# Altium PCB PCB_Power_Distribution.PcbDoc (part 1 of 3) (continued)
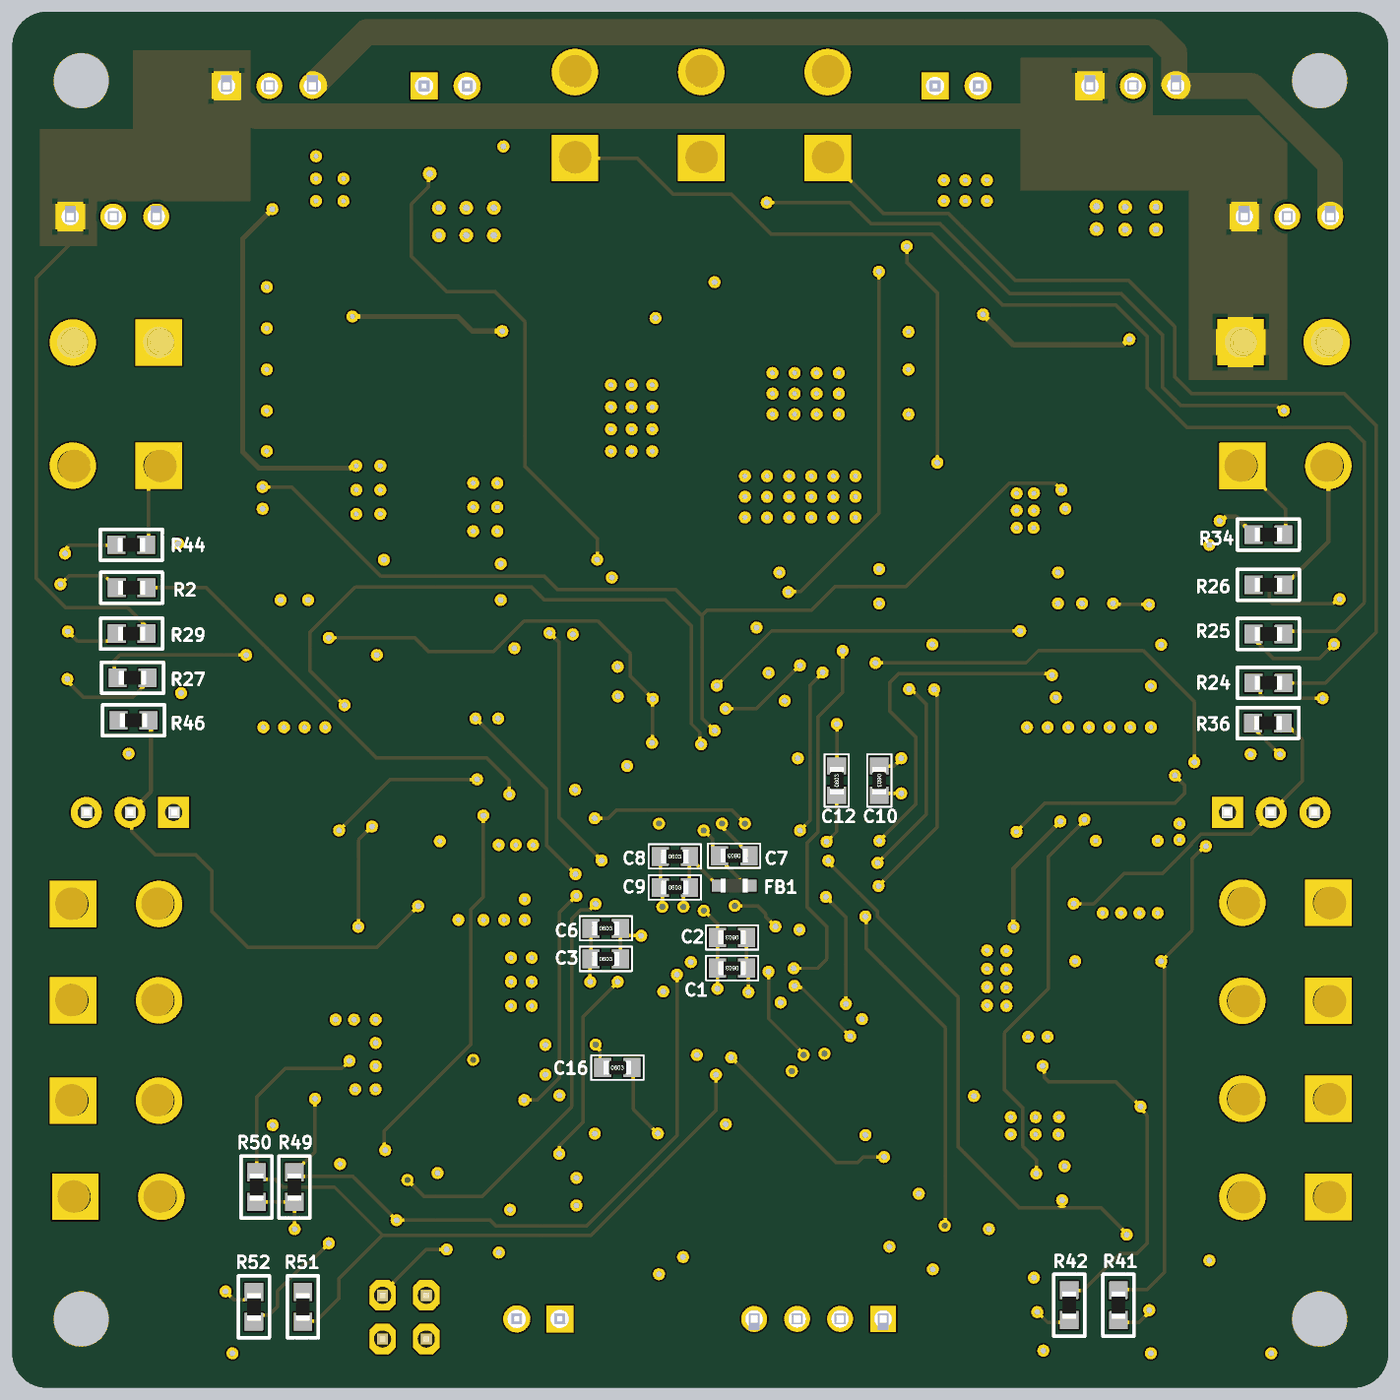
[diagram p7: 3D render of the assembled board from below, using the file's embedded part models]

## Layer stack, top to bottom
Top Solder: solder mask 0.0102, Solder Resist, Dk 3.5
Top Layer: signal copper 0.0175
Dielectric 2: prepreg 0.196, PP-022, Dk 4.56
GND: signal copper 0.035
Dielectric 1: dielectric 1.03, FR-4, Dk 4.6
POWER: signal copper 0.035
Dielectric 3: prepreg 0.196, PP-022, Dk 4.56
Bottom Layer: signal copper 0.0175
Bottom Solder: solder mask 0.0102, Solder Resist, Dk 3.5

## Board outline
0,2 ccw(c2,2) 2,0 78,0 ccw(c78,2) 80,2 80,78 ccw(c78,78) 78,80 2,80 ccw(c2,78) 0,78

## Design rules (kind name [scope] priority, off if disabled: settings)
BoardOutlineClearance BoardOutlineClearance_1 [All] p1: gap=0.254 ignorepadtopadclearanceinfootprint=FALSE except(0: Arc-SplitContinuation Track-SplitContinuation SMDPad-SplitContinuation THPad-SplitContinuation Via-SplitContinuation Fill-SplitContinuation Poly-SplitContinuation Region-SplitContinuation Text-SplitContinuation; 0.5: Arc-OutlineEdge Arc-CavityEdge Arc-CutoutEdge Arc-SplitBarrior Track-OutlineEdge Track-CavityEdge Track-CutoutEdge Track-SplitBarrior)
Clearance Clearance_2 [InNamedPolygon('5V Top')] p1: gap=0.254 ignorepadtopadclearanceinfootprint=FALSE except(0: Arc-Hole Track-Hole SMDPad-Hole THPad-Hole Via-Hole Fill-Hole Poly-Hole Region-Hole Text-Hole; 0.127: Arc-Fill Arc-Poly Arc-Region Track-Fill Track-Poly Track-Region SMDPad-Fill SMDPad-Poly SMDPad-Region)
Clearance Clearance_1 [InNamedPolygon('GND_U5_2')] p2: gap=0.254 ignorepadtopadclearanceinfootprint=FALSE except(0: Arc-Hole Track-Hole SMDPad-Hole THPad-Hole Via-Hole Fill-Hole Poly-Hole Region-Hole Text-Hole; 0.15: SMDPad-Fill SMDPad-Poly SMDPad-Region)
Clearance Clearance_3 [(ExistsOnLayer('GND') Or ExistsOnLayer('POWER')) vs (ExistsOnLayer('GND') Or ExistsOnLayer('POWER'))] p3: gap=0.254 ignorepadtopadclearanceinfootprint=FALSE except(0.127: Arc-Fill Arc-Poly Arc-Region Track-Fill Track-Poly Track-Region SMDPad-SMDPad SMDPad-Fill SMDPad-Poly SMDPad-Region Fill-Fill Fill-Poly Fill-Region Poly-Poly Poly-Region Region-Region; 0.2: Arc-SMDPad Arc-THPad Track-SMDPad Track-THPad; 0.5: SMDPad-THPad THPad-THPad)
Clearance Clearance_4 [(ExistsOnLayer('Top Layer') Or ExistsOnLayer('Bottom Layer')) vs (ExistsOnLayer('Top Layer') Or ExistsOnLayer('Bottom Layer'))] p4: gap=0.254 ignorepadtopadclearanceinfootprint=FALSE except(0.127: Arc-Fill Arc-Poly Arc-Region Track-Fill Track-Poly Track-Region SMDPad-SMDPad SMDPad-Fill SMDPad-Poly SMDPad-Region Fill-Fill Fill-Poly Fill-Region Poly-Poly Poly-Region Region-Region; 0.2: Arc-SMDPad Arc-THPad Track-SMDPad Track-THPad; 0.5: SMDPad-THPad THPad-THPad)
Clearance Clearance_5 [(ExistsOnLayer('GND') Or ExistsOnLayer('POWER')) vs (ExistsOnLayer('GND') Or ExistsOnLayer('POWER'))] p5: gap=0.127 ignorepadtopadclearanceinfootprint=FALSE except(0.254: Arc-Hole Track-Hole SMDPad-Hole THPad-Fill THPad-Poly THPad-Region THPad-Hole Via-Fill Via-Poly Via-Region Via-Hole Fill-Text Fill-Hole Poly-Text Poly-Hole Region-Text Region-Hole Text-Hole Hole-Hole)
Clearance Clearance_6 [(ExistsOnLayer('Top Layer') Or ExistsOnLayer('Bottom Layer')) vs (ExistsOnLayer('Top Layer') Or ExistsOnLayer('Bottom Layer'))] p6: gap=0.127 ignorepadtopadclearanceinfootprint=FALSE except(0.254: Arc-Hole Track-Hole SMDPad-Hole THPad-Fill THPad-Poly THPad-Region THPad-Hole Via-Fill Via-Poly Via-Region Via-Hole Fill-Text Fill-Hole Poly-Text Poly-Hole Region-Text Region-Hole Text-Hole Hole-Hole)
Clearance [All] p7: gap=0.254 ignorepadtopadclearanceinfootprint=FALSE except(0.127: Arc-Fill Arc-Poly Arc-Region Track-Fill Track-Poly Track-Region SMDPad-SMDPad SMDPad-Fill SMDPad-Poly SMDPad-Region Fill-Fill Fill-Poly Fill-Region Poly-Poly Poly-Region Region-Region; 0.2: Arc-SMDPad Arc-THPad Track-SMDPad Track-THPad; 0.5: SMDPad-THPad THPad-THPad)
DiffPairsRouting DifferentialPairsRouting_1 [InDifferentialPair('CAN')] p1: maxlimit=0.254 minlimit=0.1 mostfreqgap=0.21 toplayer_minwidth=0.127 toplayer_maxwidth=0.3 toplayer_prefwidth=0.16 midlayer1_minwidth=0.127 midlayer1_maxwidth=0.3 midlayer1_prefwidth=0.16 midlayer2_minwidth=0.127 midlayer2_maxwidth=0.3 midlayer2_prefwidth=0.16 bottomlayer_minwidth=0.127 bottomlayer_maxwidth=0.3 bottomlayer_prefwidth=0.16 maxuncoupledlength=12.7
DiffPairsRouting [All] p2 off: maxlimit=0.254 minlimit=0.254 mostfreqgap=0.254 toplayer_minwidth=0.381 toplayer_maxwidth=0.381 toplayer_prefwidth=0.381 midlayer1_minwidth=0.381 midlayer1_maxwidth=0.381 midlayer1_prefwidth=0.381 midlayer2_minwidth=0.381 midlayer2_maxwidth=0.381 midlayer2_prefwidth=0.381 bottomlayer_minwidth=0.381 bottomlayer_maxwidth=0.381 bottomlayer_prefwidth=0.381 maxuncoupledlength=12.7
HoleSize [All] p1: absolutevalues=TRUE maxlimit=6.3 minlimit=0.2 maxpercent=80.000 minpercent=20.000
HoleToHoleClearance [All] p1: gap=0.5 allowstackedmicrovias=TRUE
PlaneClearance PowerPlaneClearance_1 [All] p1: clearance=0
PlaneClearance [All] p2: clearance=1
PolygonConnect PolygonConnect_11 [All vs IsNamedPolygon('3V3 pre filtrado') Or IsNamedPolygon('3V3 pre sensado') Or IsNamedPolygon('3V3 Top') Or IsNamedPolygon('5V pre filtrado') Or IsNamedPolygon('5V pre sensado') Or IsNamedPolygon('5V Top') Or IsNamedPolygon('+11VU') Or IsNamedPolygon('11V Entrada 3V3') Or IsNamedPolygon('11V_Current -') Or IsNamedPolygon('+11VS') Or IsNamedPolygon('+11V_PyroMain') Or IsNamedPolygon('+11V_Pyro_Drogue') Or IsNamedPolygon('11V Entrada 5V') Or IsNamedPolygon('Drogue Pyro post sensado') Or IsNamedPolygon('Drogue Pyro pre sensado') Or IsNamedPolygon('DroguePyro_Current+') Or IsNamedPolygon('GND_full') Or IsNamedPolygon('GND_full') Or IsNamedPolygon('GND_full') Or IsNamedPolygon('GND_U4_1') Or IsNamedPolygon('GND_U4_2') Or IsNamedPolygon('GND_U5_1') Or IsNamedPolygon('GND_U5_2') Or IsNamedPolygon('GND_U6_1') Or IsNamedPolygon('GND_U6_2') Or IsNamedPolygon('GND_U8_1') Or IsNamedPolygon('GND_U8_2') Or IsNamedPolygon('Main Pyro') Or IsNamedPolygon('Main Pyro post sensado') Or IsNamedPolygon('Main Pyro pre sensado') Or IsNamedPolygon('Main Pyro prefiltrado') Or IsNamedPolygon('Main Pyro Redundant') Or IsNamedPolygon('Salida Drogue') Or IsNamedPolygon('Salida Drogue Redundant') Or IsNamedPolygon('Top Layer-11V_Current+') Or IsNamedPolygon('GND') Or IsNamedPolygon('3V3') Or IsNamedPolygon('3V3_C') Or IsNamedPolygon('11V Pyro Main') Or IsNamedPolygon('11V Pyro Main') Or IsNamedPolygon('NONET_L-01_P-001') Or IsNamedPolygon('POWER-5V_Current-') Or IsNamedPolygon('POWER-11V_Current-') Or IsNamedPolygon('POWER-+11V_Pyro_Drogue') Or IsNamedPolygon('POWER-Pyro2_Current-') Or IsNamedPolygon('5V') Or IsNamedPolygon('Bottom Layer-5V_Current-')] p1: thpad.connectstyle=Relief thpad.reliefconductorwidth=1.5 thpad.reliefentries=4 thpad.polygonreliefangle="90 Angle" thpad.airgapwidth=0.3 smdpad.connectstyle=Direct smdpad.reliefconductorwidth=0.254 smdpad.reliefentries=4 smdpad.polygonreliefangle="90 Angle" smdpad.airgapwidth=0.254 via.connectstyle=Relief via.reliefconductorwidth=0.254 via.reliefentries=4 via.polygonreliefangle="90 Angle" via.airgapwidth=0.254
PolygonConnect PolygonConnect_10 [All vs IsNamedPolygon('GND')] p2: thpad.connectstyle=Relief thpad.reliefconductorwidth=1.5 thpad.reliefentries=4 thpad.polygonreliefangle="90 Angle" thpad.airgapwidth=0.3 smdpad.connectstyle=Direct smdpad.reliefconductorwidth=0.254 smdpad.reliefentries=4 smdpad.polygonreliefangle="90 Angle" smdpad.airgapwidth=0.254 via.connectstyle=Relief via.reliefconductorwidth=0.254 via.reliefentries=4 via.polygonreliefangle="90 Angle" via.airgapwidth=0.254
PolygonConnect PolygonConnectStyle_1 [IsNamedPolygon('GND_full')] p3: connectstyle=Direct reliefconductorwidth=0.254 reliefentries=2 polygonreliefangle="45 Angle" airgapwidth=0.254
PolygonConnect PolygonConnect_9 [All vs IsNamedPolygon('3V3 pre filtrado') Or IsNamedPolygon('3V3 pre sensado') Or IsNamedPolygon('3V3 Top') Or IsNamedPolygon('5V pre filtrado') Or IsNamedPolygon('5V pre sensado') Or IsNamedPolygon('5V Top') Or IsNamedPolygon('11V') Or IsNamedPolygon('11V Entrada 5V') Or IsNamedPolygon('11V_Current -') Or IsNamedPolygon('+11VS') Or IsNamedPolygon('+11VU') Or IsNamedPolygon('11V Entrada 3V3') Or IsNamedPolygon('+11V_PyroMain') Or IsNamedPolygon('+11V_Pyro_Drogue') Or IsNamedPolygon('Drogue Pyro post sensado') Or IsNamedPolygon('Drogue Pyro pre sensado') Or IsNamedPolygon('DroguePyro_Current+') Or IsNamedPolygon('GND_U4_1') Or IsNamedPolygon('GND_U4_2') Or IsNamedPolygon('GND_U5_1') Or IsNamedPolygon('GND_U5_2') Or IsNamedPolygon('GND_U6_1') Or IsNamedPolygon('GND_U6_2') Or IsNamedPolygon('GND_U8_1') Or IsNamedPolygon('GND_U8_2') Or IsNamedPolygon('Main Pyro') Or IsNamedPolygon('Main Pyro post sensado') Or IsNamedPolygon('Main Pyro pre sensado') Or IsNamedPolygon('Main Pyro prefiltrado') Or IsNamedPolygon('Main Pyro Redundant') Or IsNamedPolygon('Salida Drogue') Or IsNamedPolygon('Salida Drogue Redundant') Or IsNamedPolygon('Top Layer-11V_Current+')] p4: thpad.connectstyle=Relief thpad.reliefconductorwidth=1.5 thpad.reliefentries=4 thpad.polygonreliefangle="90 Angle" thpad.airgapwidth=0.4 smdpad.connectstyle=Direct smdpad.reliefconductorwidth=0.254 smdpad.reliefentries=4 smdpad.polygonreliefangle="90 Angle" smdpad.airgapwidth=0.254 via.connectstyle=Relief via.reliefconductorwidth=0.254 via.reliefentries=4 via.polygonreliefangle="90 Angle" via.airgapwidth=0.254
PolygonConnect PolygonConnect_8 [All vs IsNamedPolygon('3V3') Or IsNamedPolygon('3V3_C') Or IsNamedPolygon('11V') Or IsNamedPolygon('11V Pyro Main') Or IsNamedPolygon('Drogue Pyro POWER') Or IsNamedPolygon('POWER-5V_Current-') Or IsNamedPolygon('POWER-+11V_Pyro_Drogue')] p5: thpad.connectstyle=Relief thpad.reliefconductorwidth=1.5 thpad.reliefentries=4 thpad.polygonreliefangle="90 Angle" thpad.airgapwidth=0.4 smdpad.connectstyle=Direct smdpad.reliefconductorwidth=0.254 smdpad.reliefentries=4 smdpad.polygonreliefangle="90 Angle" smdpad.airgapwidth=0.254 via.connectstyle=Relief via.reliefconductorwidth=0.254 via.reliefentries=4 via.polygonreliefangle="90 Angle" via.airgapwidth=0.254
PolygonConnect PolygonConnect_7 [All vs IsNamedPolygon('5V') Or IsNamedPolygon('Bottom Layer-5V_Current-')] p6: thpad.connectstyle=Relief thpad.reliefconductorwidth=1.5 thpad.reliefentries=4 thpad.polygonreliefangle="90 Angle" thpad.airgapwidth=0.4 smdpad.connectstyle=Direct smdpad.reliefconductorwidth=0.254 smdpad.reliefentries=4 smdpad.polygonreliefangle="90 Angle" smdpad.airgapwidth=0.254 via.connectstyle=Relief via.reliefconductorwidth=0.254 via.reliefentries=4 via.polygonreliefangle="90 Angle" via.airgapwidth=0.254
PolygonConnect PolygonConnect_6 [All vs IsNamedPolygon('GND_full')] p7: thpad.connectstyle=Relief thpad.reliefconductorwidth=1.5 thpad.reliefentries=4 thpad.polygonreliefangle="90 Angle" thpad.airgapwidth=0.35 smdpad.connectstyle=Direct smdpad.reliefconductorwidth=0.254 smdpad.reliefentries=4 smdpad.polygonreliefangle="90 Angle" smdpad.airgapwidth=0.254 via.connectstyle=Relief via.reliefconductorwidth=0.254 via.reliefentries=4 via.polygonreliefangle="90 Angle" via.airgapwidth=0.254
PolygonConnect PolygonConnect_5 [All vs IsNamedPolygon('GND_full')] p8: thpad.connectstyle=Relief thpad.reliefconductorwidth=2.5 thpad.reliefentries=4 thpad.polygonreliefangle="90 Angle" thpad.airgapwidth=0.5 smdpad.connectstyle=Direct smdpad.reliefconductorwidth=0.254 smdpad.reliefentries=4 smdpad.polygonreliefangle="90 Angle" smdpad.airgapwidth=0.254 via.connectstyle=Relief via.reliefconductorwidth=0.254 via.reliefentries=4 via.polygonreliefangle="90 Angle" via.airgapwidth=0.254
PolygonConnect PolygonConnect_4 [All vs IsNamedPolygon('GND_full')] p9: thpad.connectstyle=Relief thpad.reliefconductorwidth=2.5 thpad.reliefentries=4 thpad.polygonreliefangle="90 Angle" thpad.airgapwidth=0.5 smdpad.connectstyle=Direct smdpad.reliefconductorwidth=0.254 smdpad.reliefentries=4 smdpad.polygonreliefangle="90 Angle" smdpad.airgapwidth=0.254 via.connectstyle=Relief via.reliefconductorwidth=0.254 via.reliefentries=4 via.polygonreliefangle="90 Angle" via.airgapwidth=0.254
PolygonConnect PolygonConnect_3 [All vs IsNamedPolygon('GND_full')] p10: thpad.connectstyle=Direct thpad.reliefconductorwidth=0.254 thpad.reliefentries=4 thpad.polygonreliefangle="90 Angle" thpad.airgapwidth=0.254 smdpad.connectstyle=Direct smdpad.reliefconductorwidth=0.254 smdpad.reliefentries=4 smdpad.polygonreliefangle="90 Angle" smdpad.airgapwidth=0.254 via.connectstyle=Relief via.reliefconductorwidth=0.254 via.reliefentries=4 via.polygonreliefangle="90 Angle" via.airgapwidth=0.254
PolygonConnect PolygonConnect_2 [All vs IsNamedPolygon('5V')] p11: thpad.connectstyle=Direct thpad.reliefconductorwidth=0.254 thpad.reliefentries=4 thpad.polygonreliefangle="90 Angle" thpad.airgapwidth=0.254 smdpad.connectstyle=Direct smdpad.reliefconductorwidth=0.254 smdpad.reliefentries=4 smdpad.polygonreliefangle="90 Angle" smdpad.airgapwidth=0.254 via.connectstyle=Relief via.reliefconductorwidth=0.254 via.reliefentries=4 via.polygonreliefangle="90 Angle" via.airgapwidth=0.254
PolygonConnect PolygonConnect_1 [All vs IsNamedPolygon('5V') Or IsNamedPolygon('Bottom Layer-5V_Current-')] p12: thpad.connectstyle=Direct thpad.reliefconductorwidth=0.254 thpad.reliefentries=4 thpad.polygonreliefangle="90 Angle" thpad.airgapwidth=0.254 smdpad.connectstyle=Direct smdpad.reliefconductorwidth=0.254 smdpad.reliefentries=4 smdpad.polygonreliefangle="90 Angle" smdpad.airgapwidth=0.254 via.connectstyle=Relief via.reliefconductorwidth=0.254 via.reliefentries=4 via.polygonreliefangle="90 Angle" via.airgapwidth=0.254
PolygonConnect [All] p13: connectstyle=Relief reliefconductorwidth=0.254 reliefentries=4 polygonreliefangle="90 Angle" airgapwidth=0.254
RoutingVias RoutingViaStyle_1 [All] p1: holewidth=0.35 width=0.7 viastyle="Through Hole" minholewidth=0.3 minwidth=0.6 maxholewidth=0.6 maxwidth=1
RoutingVias [All] p2: holewidth=0.711 width=1.27 viastyle="Through Hole" minholewidth=0.711 minwidth=1.27 maxholewidth=0.711 maxwidth=1.27
SolderMaskExpansion [All] p1: expansion=0.102 istentingtop=FALSE
UnpouredPolygon ModifiedPolygon_1 [All] p1:
UnpouredPolygon [All] p2:
Width [All] p1: maxlimit=0.254 minlimit=0.254 preferedwidth=0.254
25 further rules are at their usual default settings.
